# Altium PCB PCB2.PcbDoc (part 1 of 3)
Units mm, origin at the board's own origin, x right, y up, seen from the top; angles counter-clockwise.
Board outline 115.44 x 192.91 mm, 4 copper layers (Top Layer, SignalTop, SignalBottom, Bottom Layer), stack 0.532 mm thick; 200 components, 223 nets, 800 pads, 226 vias.
Unrouted connection lines stored in the file: 2.
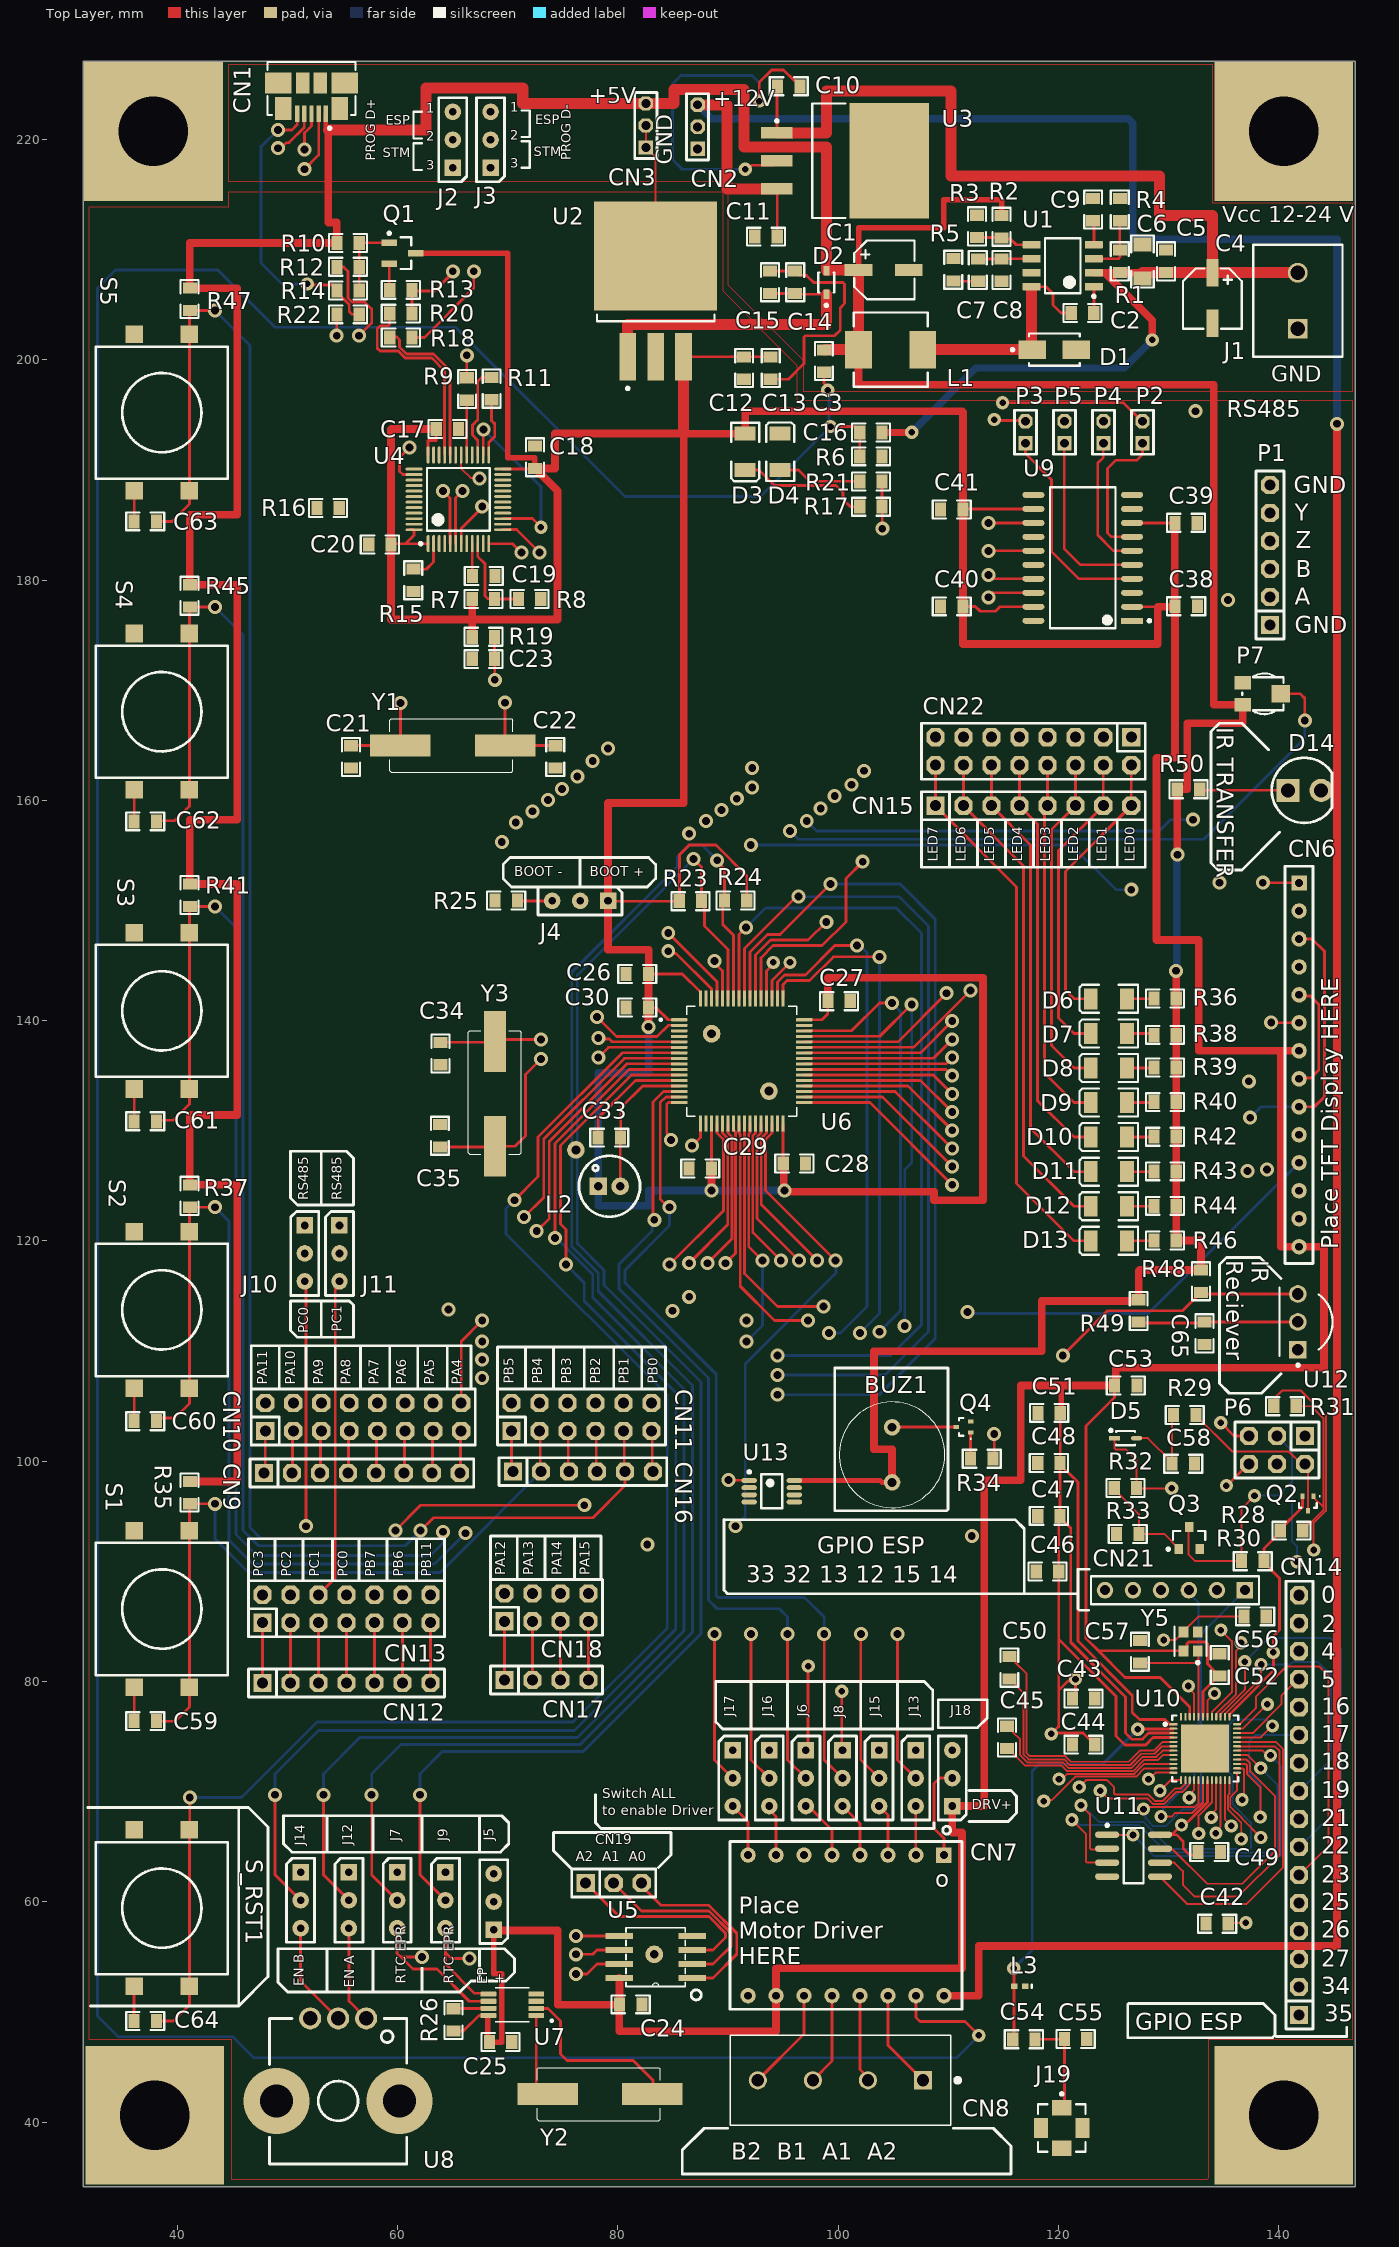
[diagram p0: Top Layer view]
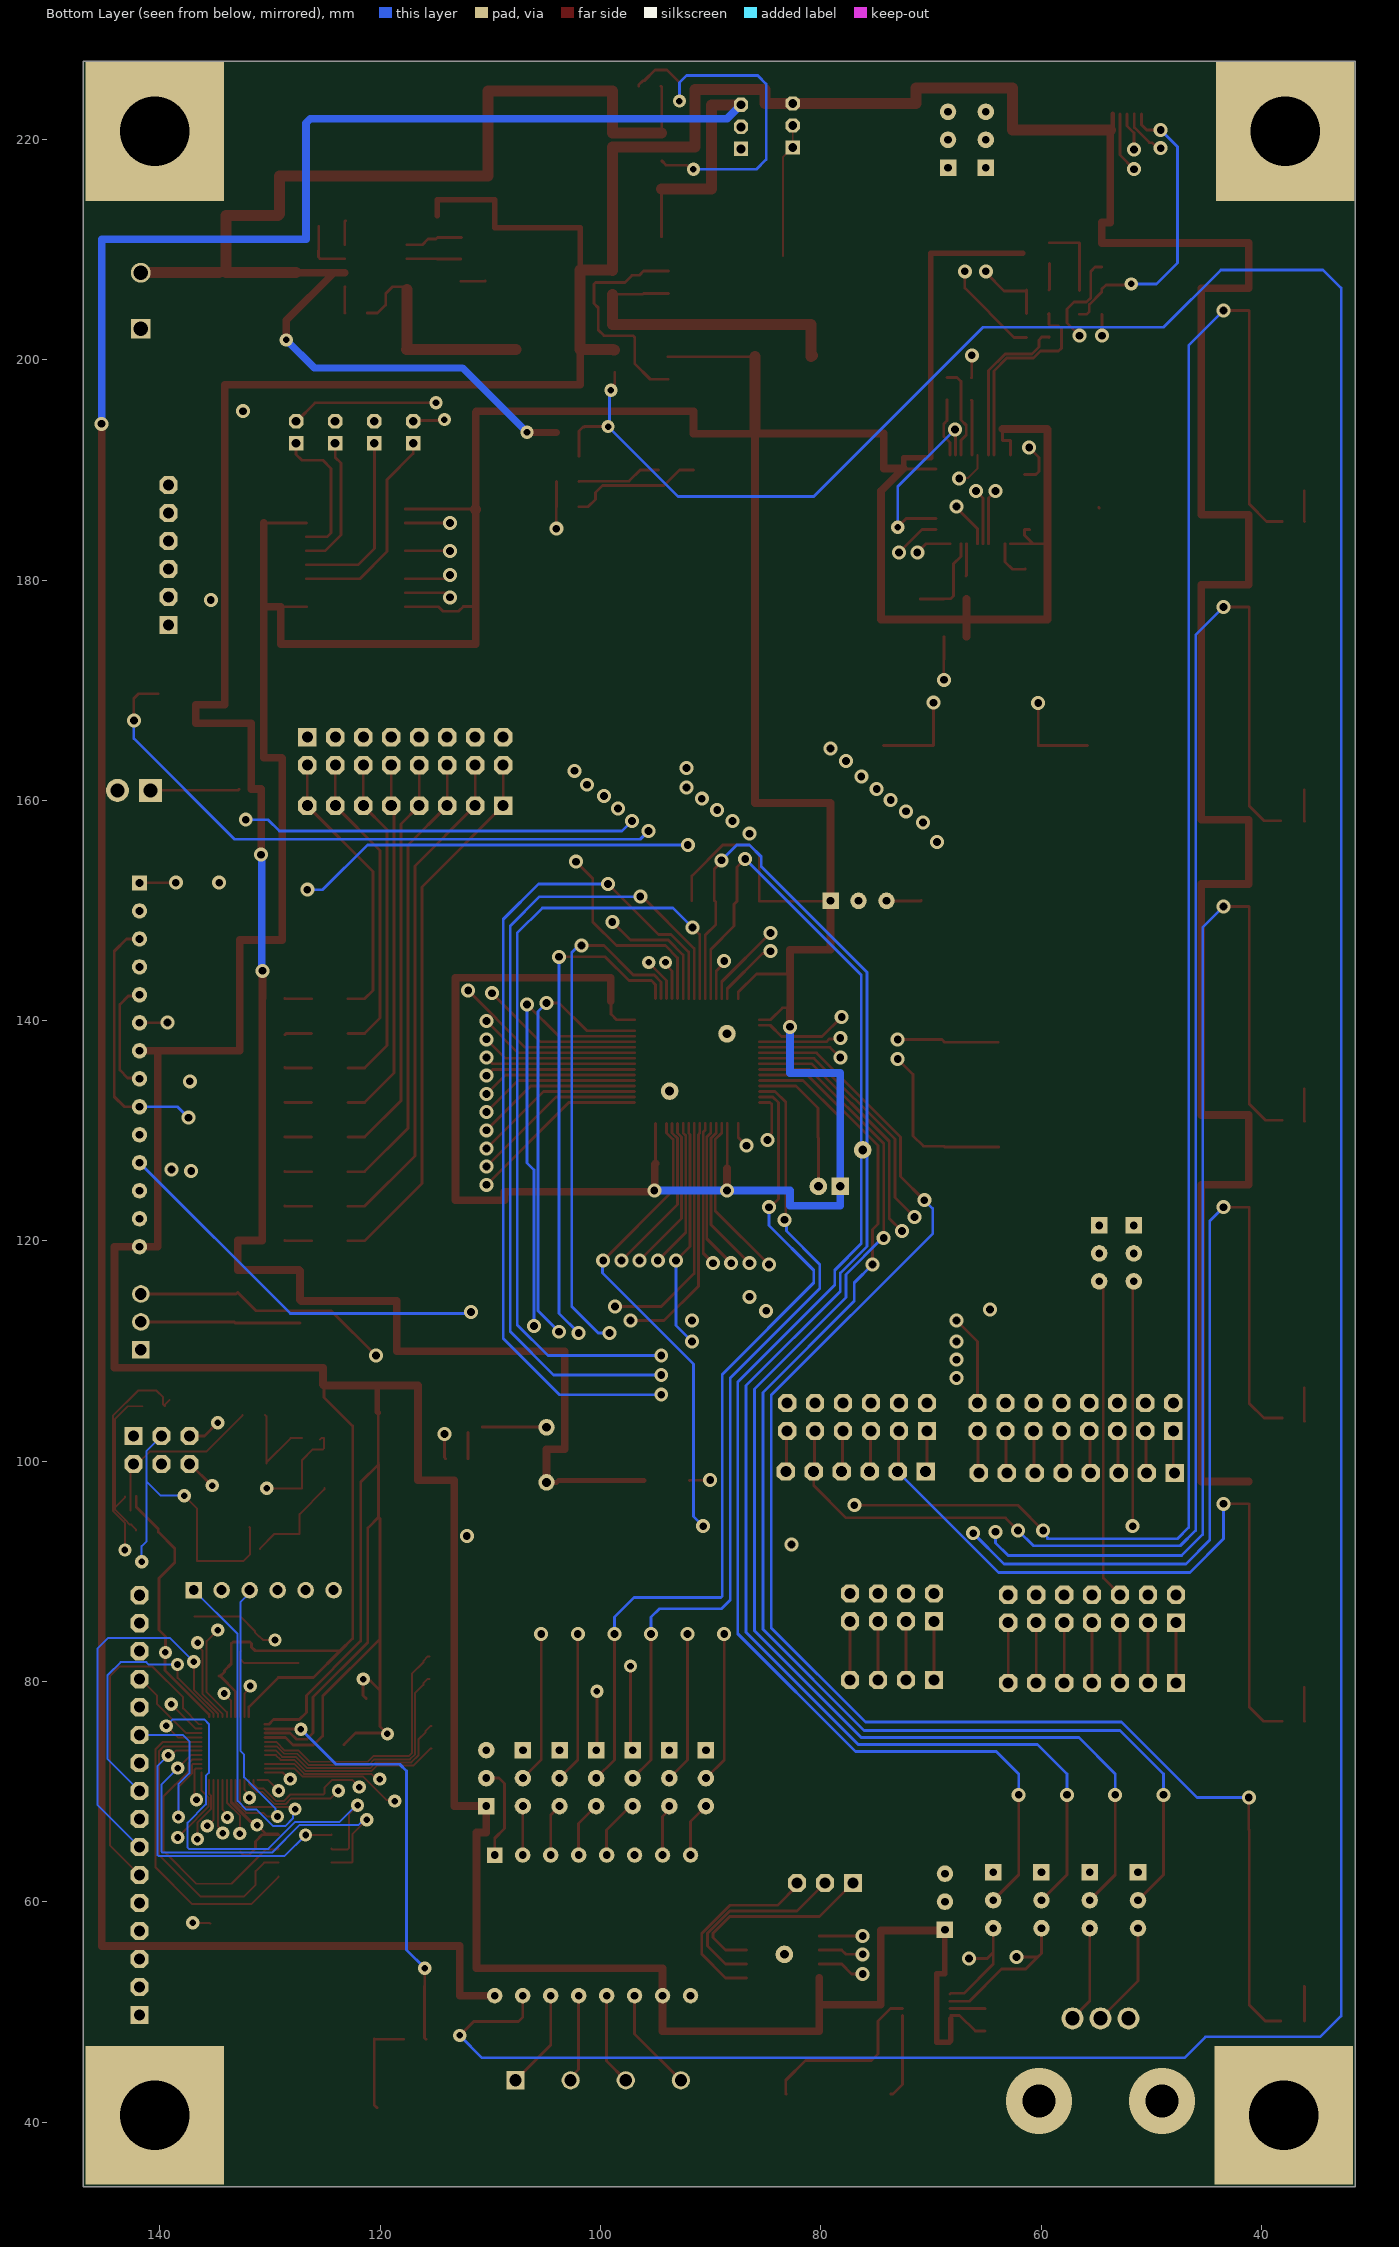
[diagram p1: Bottom Layer view, seen from below]
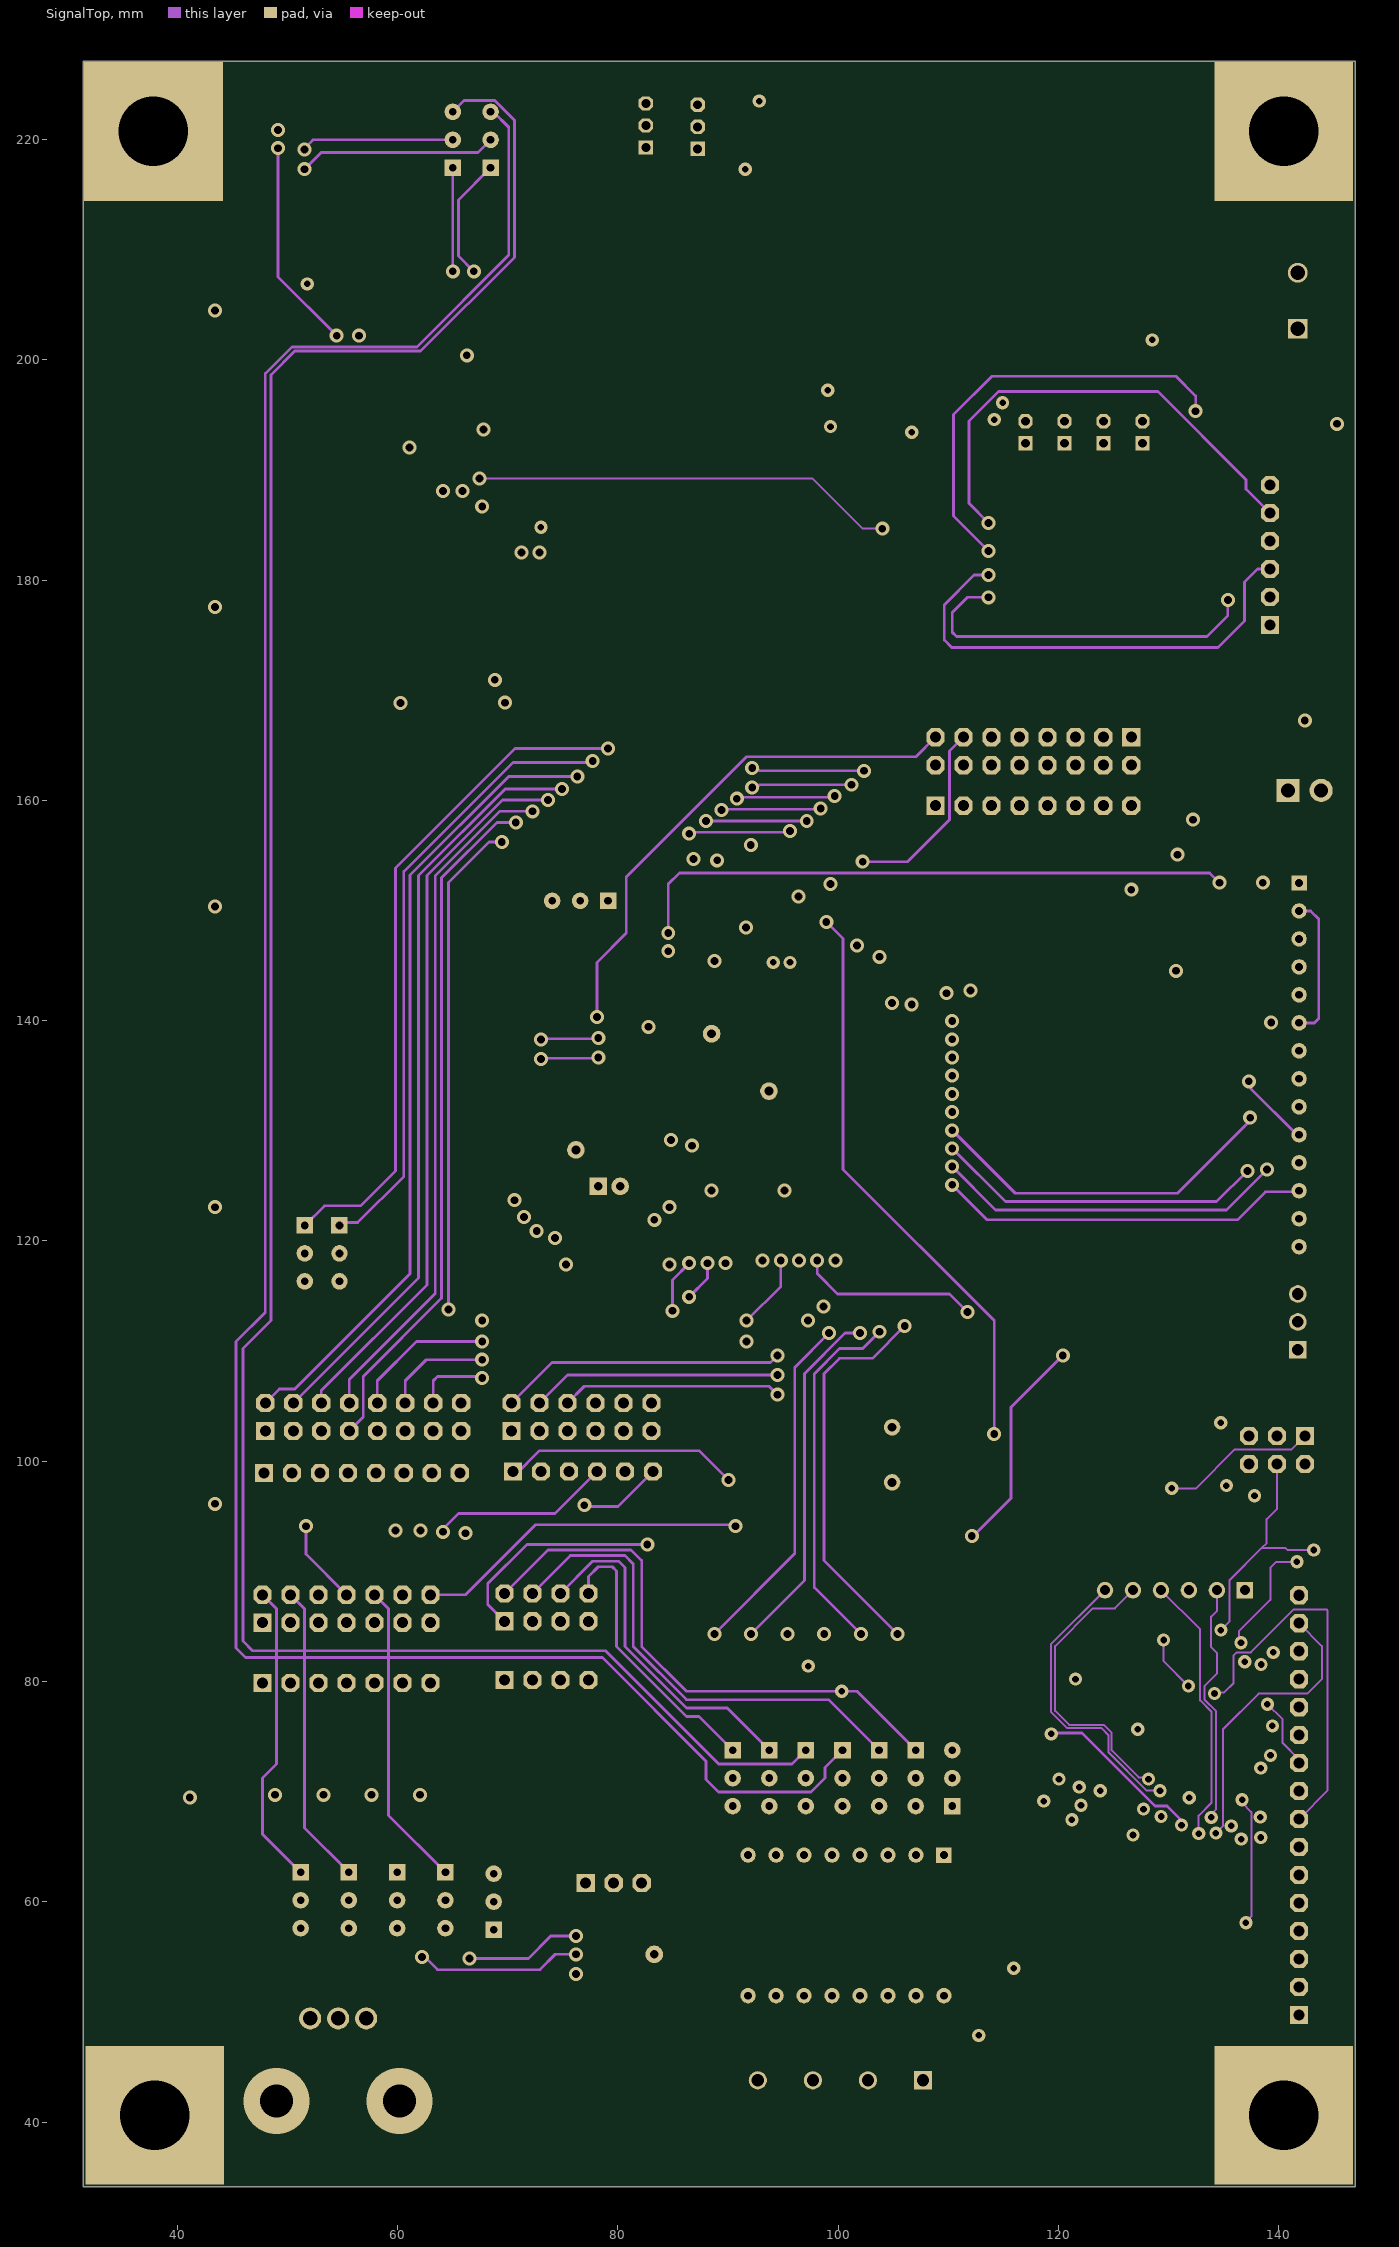
[diagram p2: SignalTop]
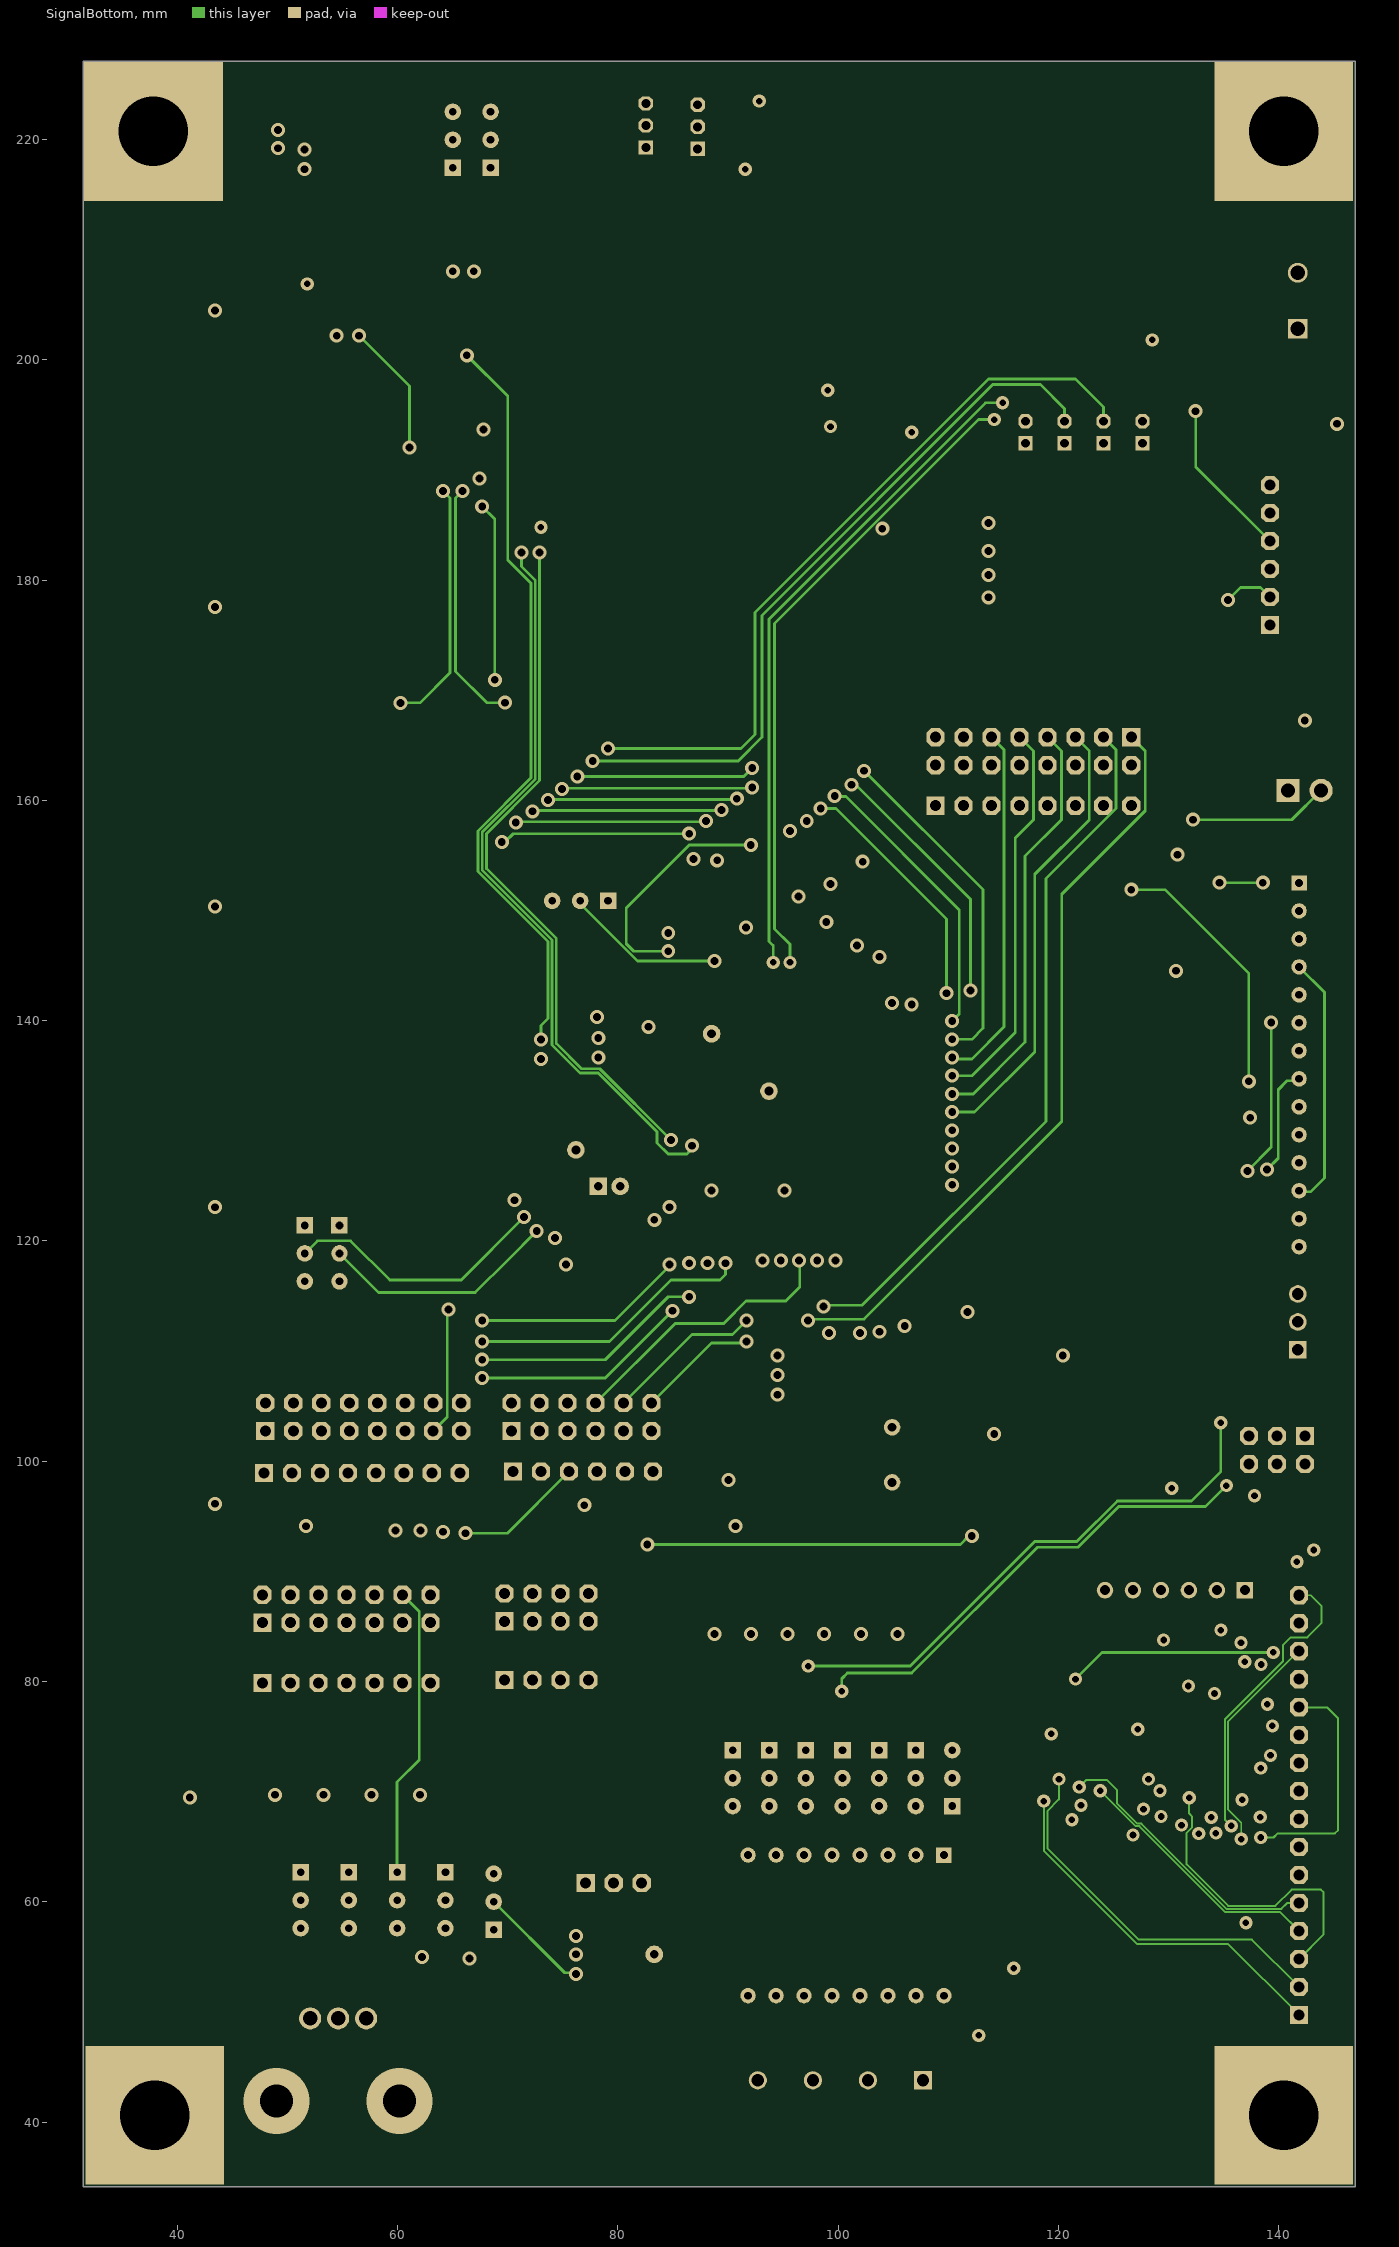
[diagram p3: SignalBottom]
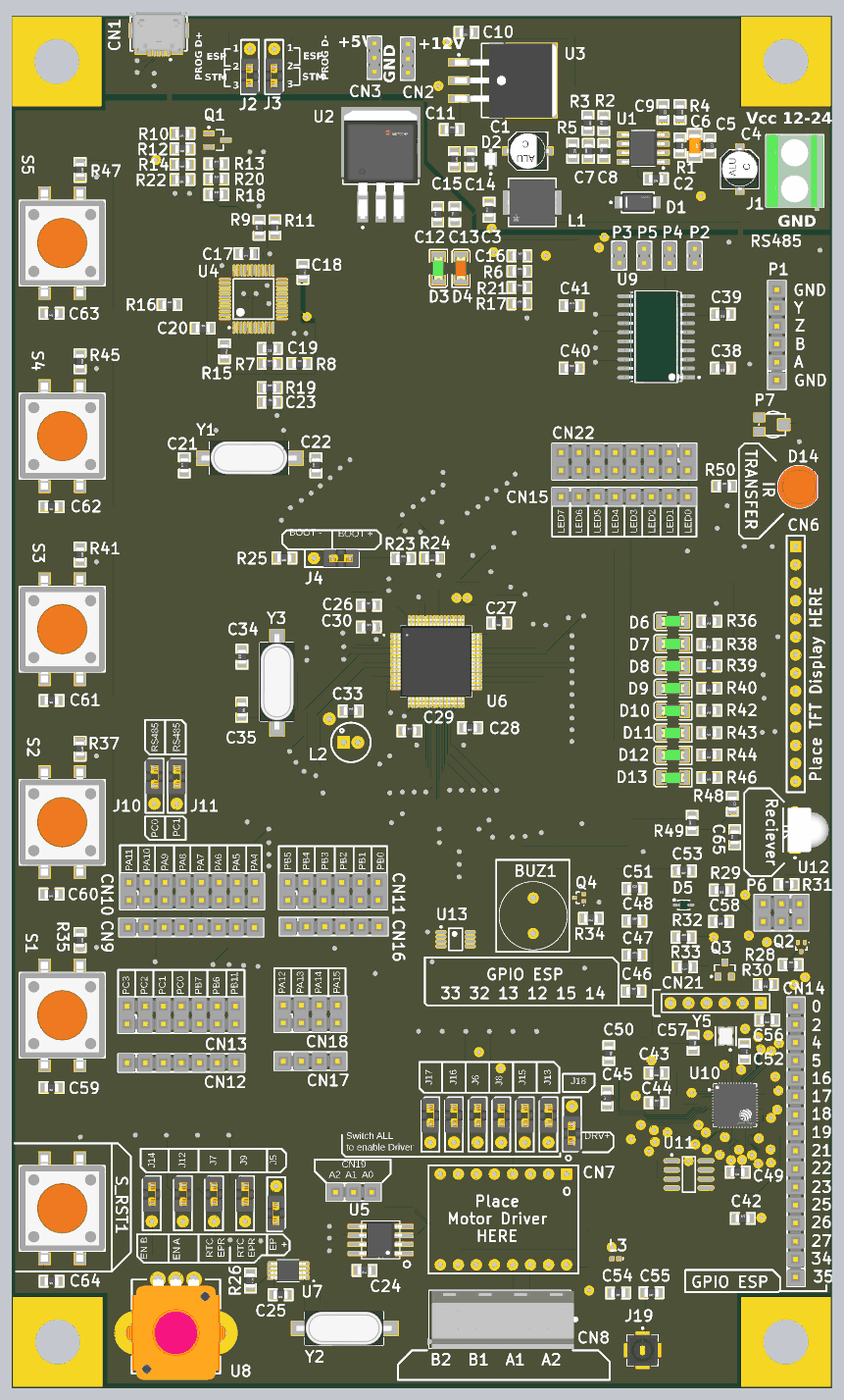
[diagram p6: 3D render of the assembled board from above, using the file's embedded part models]

## Layer stack, top to bottom
Top Solder: solder mask 0.0102, Solder Resist, Dk 3.5
Top Layer: signal copper 0.0175
Dielectric 2: prepreg 0.0711, PP-006, Dk 4.1
SignalTop: signal copper 0.0175
Dielectric 1: dielectric 0.32, FR-4, Dk 4.8
SignalBottom: signal copper 0.0175
Dielectric 3: prepreg 0.0711, PP-006, Dk 4.1
Bottom Layer: signal copper 0.0175
Bottom Solder: solder mask 0.0102, Solder Resist, Dk 3.5

## Board outline
31.496,34.163 146.939,34.163 146.939,227.076 31.496,227.076

## Design rules (kind name [scope] priority, off if disabled: settings)
BoardOutlineClearance [All] p1: gap=0.254 ignorepadtopadclearanceinfootprint=FALSE except(0: Arc-SplitContinuation Track-SplitContinuation SMDPad-SplitContinuation THPad-SplitContinuation Via-SplitContinuation Fill-SplitContinuation Poly-SplitContinuation Region-SplitContinuation Text-SplitContinuation; 0.3: Track-OutlineEdge Poly-OutlineEdge; 3: SMDPad-OutlineEdge THPad-OutlineEdge Via-OutlineEdge Text-OutlineEdge)
Clearance [InNetClass('Supply3V3') AND InNetClass('Supply5V') AND InNetClass('Supply12V') AND InNetClass('SupplyEXT')] p1: gap=0.508 ignorepadtopadclearanceinfootprint=FALSE except(0.254: Arc-Text Track-Text SMDPad-Text THPad-Text Via-Text Fill-Text Poly-Text Region-Text Text-Text)
HoleSize [All] p1: absolutevalues=TRUE maxlimit=6.3 minlimit=0.2 maxpercent=80.000 minpercent=20.000
PlaneConnect PlaneConnect_Supply [InNetClass('Supply3V3') AND InNetClass('Supply5V') AND InNetClass('Supply12V') AND InNetClass('SupplyEXT')] p1: planeconnectstyle=Relief reliefexpansion=0.508 reliefentries=4 reliefconductorwidth=0.508 reliefairgap=0.508
PolygonConnect [InNetClass('Supply3V3') AND InNetClass('Supply5V') AND InNetClass('Supply12V') AND InNetClass('SupplyEXT')] p1: connectstyle=Relief reliefconductorwidth=0.254 reliefentries=4 polygonreliefangle="90 Angle" airgapwidth=0.254
RoutingLayers RoutingLayers_AGND [InNet('AGND')] p1: top layer_v5=TRUE mid layer 1_v5=FALSE mid layer 2_v5=FALSE bottom layer_v5=TRUE
RoutingLayers RoutingLayers_EXGND [InNet('EX_GND')] p2: top layer_v5=TRUE mid layer 1_v5=FALSE mid layer 2_v5=FALSE bottom layer_v5=TRUE
RoutingLayers RoutingLayers_GND [InNet('GND')] p3: top layer_v5=TRUE mid layer 1_v5=FALSE mid layer 2_v5=FALSE bottom layer_v5=TRUE
RoutingLayers RoutingLayers_Signals [All] p4: top layer_v5=TRUE mid layer 1_v5=TRUE mid layer 2_v5=TRUE bottom layer_v5=TRUE
RoutingLayers RoutingLayers_Supply3V3 [All] p5: top layer_v5=TRUE mid layer 1_v5=FALSE mid layer 2_v5=FALSE bottom layer_v5=FALSE
RoutingLayers RoutingLayers_Supply5V [All] p6: top layer_v5=TRUE mid layer 1_v5=FALSE mid layer 2_v5=FALSE bottom layer_v5=FALSE
RoutingLayers RoutingLayers_Supply12V [All] p7: top layer_v5=TRUE mid layer 1_v5=FALSE mid layer 2_v5=FALSE bottom layer_v5=FALSE
RoutingLayers RoutingLayers_SupplyEXT [InNetClass('SupplyEXT')] p8: top layer_v5=TRUE mid layer 1_v5=FALSE mid layer 2_v5=FALSE bottom layer_v5=FALSE
RoutingPriority RoutingPriority_SupplyEXT [InNetClass('SupplyEXT')] p1: routingpriority=5
RoutingPriority RoutingPriority_12V [InNetClass('Supply12V')] p2: routingpriority=4
RoutingPriority RoutingPriority_Supply5V [InNetClass('Supply5V')] p3: routingpriority=3
RoutingPriority RoutingPriority_Supply3V3 [InNetClass('Supply3V3')] p4: routingpriority=2
RoutingPriority RoutingPriority_Signals [All] p5: routingpriority=1
RoutingVias RoutingVias_Supply [InNetClass('Supply3V3') AND InNetClass('Supply5V') AND InNetClass('Supply12V') AND InNetClass('SupplyEXT')] p1: holewidth=1.2 width=2.5 viastyle="Through Hole" minholewidth=1.1 minwidth=2.1 maxholewidth=2.3 maxwidth=5.6
RoutingVias RoutingVias_All [All] p2: holewidth=0.6 width=1.2 viastyle="Through Hole" minholewidth=0.2 minwidth=0.4 maxholewidth=6.3 maxwidth=12.5
SolderMaskExpansion [All] p1: expansion=0.102 istentingtop=FALSE
Width NetC14_2 [InNet('NetC14_2')] p1: maxlimit=2.8 minlimit=0.254 preferedwidth=0.254
Width Width_NetC2_2 [InNet('NetC2_2')] p2: maxlimit=2.8 minlimit=0.254 preferedwidth=0.254
Width Width_EXT_outside [InNetClass('SupplyEXT')] p3: maxlimit=2.8 minlimit=0.254 preferedwidth=2.5
Width Width_12V_outside [InNetClass('Supply12V')] p4: maxlimit=2.8 minlimit=0.254 preferedwidth=2.5
Width Width_5V_outside [InNetClass('Supply5V')] p5: maxlimit=2.8 minlimit=0.254 preferedwidth=2.5
Width Width_3V3_outside [InNetClass('Supply3V3')] p6: maxlimit=2.8 minlimit=0.254 preferedwidth=2.5
Width Width_Signals [All] p7: maxlimit=0.254 minlimit=0.18 preferedwidth=0.254
26 further rules are at their usual default settings.
